# Altium PCB Copy of GameBoard_V1I1_083018.PcbDoc (part 14 of 21) (continued)
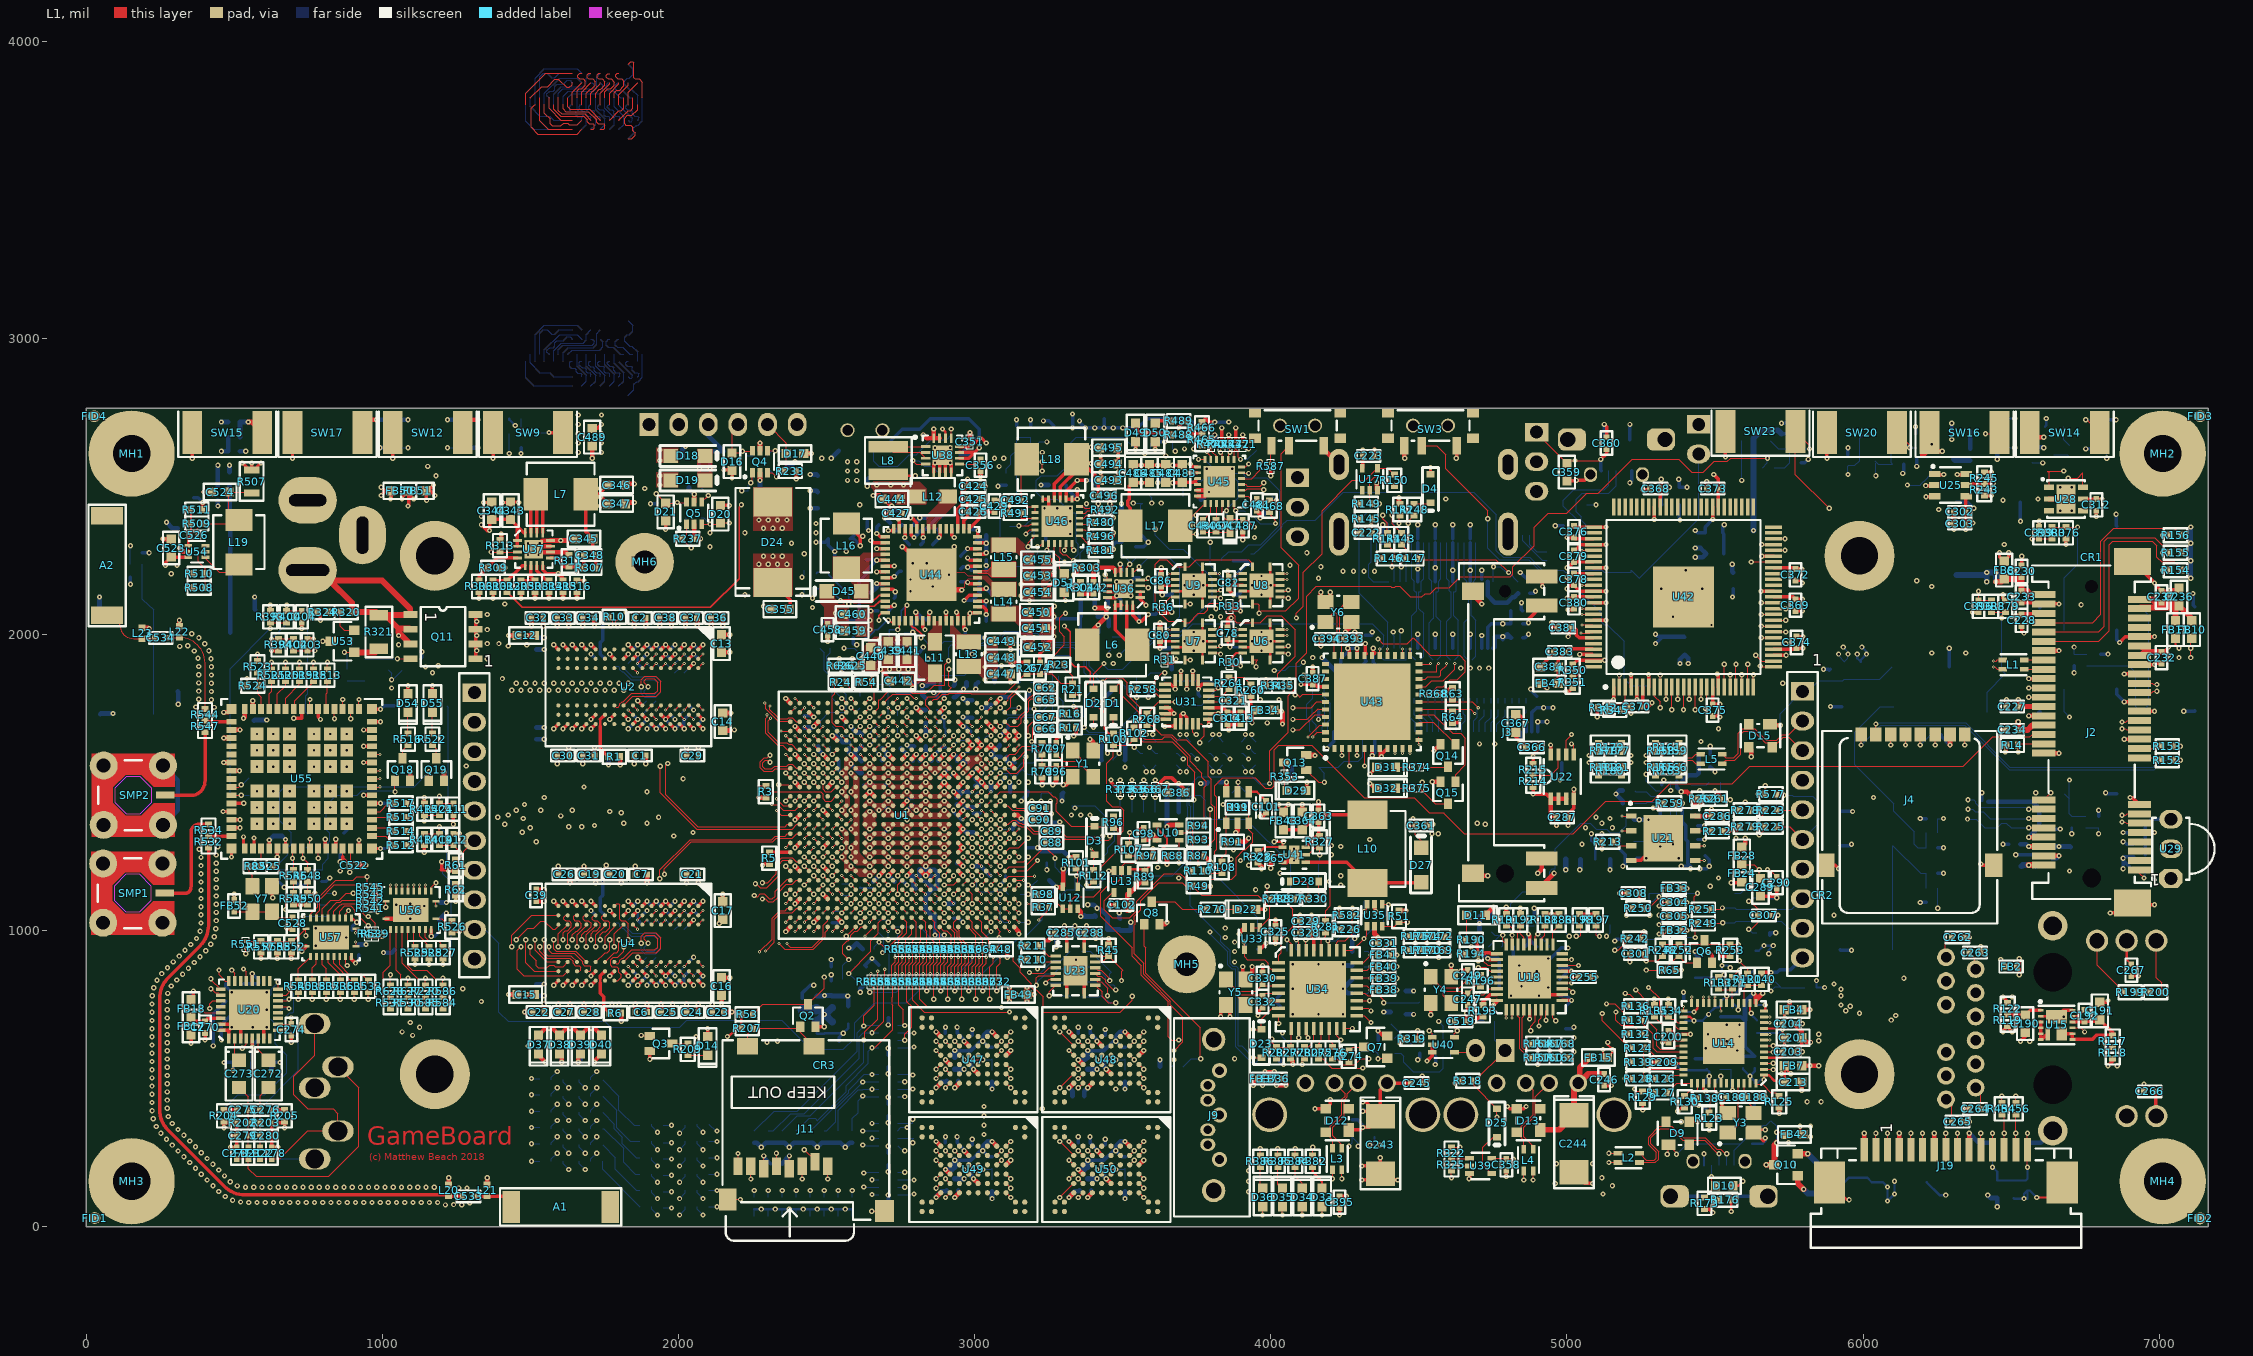
[diagram p0: L1 view]
## Nets (pads, with @x,y where several pads share a name; then routed paths per layer and width w, separated by ;. In a path a pad name is that pad's centre, name@x,y a point inside that pad or via, vN(x,y) a via of type N, cw(c..) or ccw(c..) an arc to the next point about the centre after c; other vN are vias at no path point) (continued)
  other v2: 3149.61,988.19 2614.17,1090.55 2582.68,1216.54 2771.65,1216.54 2834.65,1216.54 2897.64,1216.54 2551.18,1248.03 2645.67,1248.03 2708.66,1248.03 2645.67,1311.02 2708.66,1311.02 2771.65,1311.02 2834.65,1311.02 2897.64,1311.02 2960.63,1311.02 2551.18,1342.52 2771.65,1374.02 2992.13,1374.02 2551.18,1405.51 2677.17,1405.51 2803.15,1405.51 2645.67,1437.01 2708.66,1437.01 2834.65,1437.01 2897.64,1437.01 3192.91,1437.01 2551.18,1468.5 2771.65,1500 2834.65,1500 2866.14,1531.5 2960.63,1531.5 2645.67,1562.99 2708.66,1562.99 2771.65,1562.99 2834.65,1562.99 2897.64,1562.99 3023.62,1562.99 3023.62,1594.49 3740.16,1944.88 3968.5,1944.88 2677.17,1948.82 2740.16,1948.82 3708.66,1976.38 3937.01,1976.38 2677.17,1980.31 2740.16,1980.31 3740.16,2007.87 3968.5,2007.87 2645.67,2015.75 2984.25,2070.87 3740.16,2133.86 3968.5,2133.86 2783.46,2145.67 2858.27,2161.42 3708.66,2165.35 3937.01,2165.35 2783.46,2185.04 2842.52,2188.98 3740.16,2196.85 3968.5,2196.85 2913.39,2200.79 2791.34,2240.16 2838.58,2240.16 2931.1,2295.28 6665.35,2417.32 6704.72,2417.32 3322.83,2425.2 6665.35,2496.06 6704.72,2496.06
  other v3: 2708.66,1562.99
GYRO_CS_B: R264.2 U31.17 | length 72.1
  L1 w3.94: U31.17@3790.35,1791.34 3834.65,1791.34 R264.2@3854.33,1811.02
GYRO_INT: R46.1 R256.2 R258.2 U1.N22 | length 1472.7
  L1 w3.66: U1.N22@2755.91,1106.3 v2(2771.65,1090.55) ; v1(3547.24,1787.4) R258.2@3547.24,1814.96
  L10 w3.66: v2(2771.65,1090.55) 2807.09,1090.55 2822.83,1106.3 2934.14,1106.3 2940.95,1113.11 2940.95,1113.17 2943.76,1115.99 2943.76,1149.73 2913.66,1179.83 2913.66,1413.66 3014.76,1514.76 3158.6,1514.76 3166.34,1522.5 3183.92,1522.5 3311.02,1649.61 3311.02,1677.17 3322.83,1688.98 3326.77,1685.04 v1(3370.08,1685.04)
  L12 w3.66: v1(3370.08,1685.04) 3385.69,1669.43 3488.13,1669.43 3504.47,1685.77 3504.47,1697.39 3547.24,1740.16 v1(3547.24,1787.4) R46.1@3547.24,1814.96 R256.2@3547.24,1862.2
GYRO_INT1: R258.1 U31.3 | length 65.9
  L1 w3.66: R258.1@3586.61,1814.96 3598.43,1814.96 3622.05,1791.34 U31.3@3642.72,1791.34
GYRO_PWR_CTRL: R254.2 R256.1 U31.2 | length 190.5
  L1 w3.66: v1(3641.73,1870.08) 3633.86,1870.08 3610.24,1846.46 3610.24,1818.9 3618.11,1811.02 U31.2@3642.72,1811.02
  L12 w3.66: R256.1@3586.61,1862.2 3594.49,1870.08 v1(3641.73,1870.08) R254.2@3641.73,1842.52
GYRO_RST: R266.2 R268.2 U31.4 | length 144.9
  L1 w3.94: R268.2@3582.68,1732.28 3622.05,1771.65 U31.4@3642.72,1771.65 v1(3677.17,1771.65)
  L12 w3.94: v1(3677.17,1771.65) 3688.98,1771.65 R266.2@3704.72,1755.91
HDMI_CEC: R24.1 U1.W4 | length 199.7
  L1 w3.94: R24.1@2527.56,1838.58 2527.56,1799.21 2519.69,1791.34 2519.69,1700.79 2531.5,1688.98 2551.18,1688.98 U1.W4@2566.93,1673.23
HDMI_CEC_CON: J1.13 R148.2 U16.23 | length 235.8
  L1 w3.94: v1(4464.57,2374.02) 4464.57,2381.89 R148.2@4484.25,2401.57
  L12 w3.94: U16.23@4456.69,2177.17 4456.69,2216.54 ; 4456.69,2216.54 J1.13@4456.69,2308.66 4456.69,2366.14 v1(4464.57,2374.02)
HDMI_CEC_IN: R20.1 R24.2 R25.2 U16.16 | length 2288.9
  L1 w3.94: R24.2@2566.93,1838.58 2566.93,1830.71 2582.68,1814.96 v1(2590.55,1814.96)
  L10 w3.94: v5(2980.32,1901.57) 3006.89,1875 3128.16,1875 3138.99,1885.83 3188.98,1885.83 3200.79,1897.64 3400.38,1897.64 3419.08,1878.94 3516.73,1878.94 3531.56,1893.77 3531.56,1909.45 v5(3551.25,1929.13)
  L11 w3.94: v5(2980.32,1901.57) v6(2992.13,1889.76) ; v5(3551.25,1929.13) v6(3563.06,1917.32)
  L12 w3.94: v1(2590.55,1814.96) 2606.3,1830.71 2704.72,1830.71 2735.24,1800.2 2796.26,1800.2 2806.1,1810.04 2806.1,1830.92 2816.72,1841.54 2825.79,1841.54 2832.68,1848.43 2836.61,1848.43 2850.39,1862.2 2967.21,1862.2 2976.38,1871.37 2976.38,1885.83 R25.2@2972.44,1889.76 v6(2992.13,1889.76) ; v6(3563.06,1917.32) 3563.06,1933.81 3617.43,1988.19 3688.98,1988.19 3736.22,2035.43 R20.1@4318.9,2035.43 4342.52,2035.43 4381.89,1996.06 4381.89,1960.63 4368.11,1946.85 4368.11,1927.17 4381.89,1913.39 4456.69,1913.39 4456.69,1917.32 U16.16@4456.69,1952.76
HDMI_CLK_N: J1.12 U7.9 U16.15 U16.24 | length 1308.6
  L1 w3.94: U7.9@3803.15,1937.01 3830.71,1937.01 v2(3830.71,1933.07)
  L10 w3.94: v2(3830.71,1933.07) 3847.13,1933.07 3855.01,1925.2 3873.34,1925.2 3896.96,1948.82 3932.55,1948.82 3959.13,1922.24 4022.64,1922.24 4039.37,1905.51 4070.19,1905.51 4122.05,1957.37 4141.06,1976.38 4290.66,1976.38 4327.76,2013.47 4327.76,2013.99 4336.4,2022.64 4336.92,2022.64 4361.53,2047.24 4448.82,2047.24 4463.2,2032.87 4463.2,2001.37 4473.43,1991.14 4473.43,1990.62 4492.13,1971.92 4492.13,1948.82 v5(4488.19,1944.88)
  L11 w3.94: v6(4488.19,1913.39) v5(4488.19,1944.88)
  L12 w3.94: J1.12@4476.38,2308.66 4476.38,2246.06 4476.38,2187.01 4484.25,2179.13 4484.25,2172.27 4484.65,2171.88 4484.65,2147.16 4488.11,2143.7 4492.13,2143.7 4492.13,2078.74 4476.38,2062.99 U16.15@4476.38,1952.76 4476.38,1925.2 v6(4488.19,1913.39)
HDMI_CLK_P: J1.10 U7.10 U16.13 U16.26 | length 1414.5
  L1 w3.94: U7.10@3803.15,1956.69 3830.71,1956.69 v2(3830.71,1960.63)
  L10 w3.94: v2(3830.71,1960.63) 3858.27,1933.07 3870.08,1933.07 ; 3956.17,1936.33 3935.81,1956.69 3893.7,1956.69 3870.08,1933.07 ; v5(4503.94,1944.88) 4500,1948.82 4500,1975.18 4481.3,1993.88 4481.3,2025.9 4452.08,2055.12 4358.27,2055.12 4333.66,2030.51 4333.14,2030.51 4319.88,2017.25 4319.88,2016.73 4287.4,1984.25 4137.8,1984.25 4066.93,1913.39 4042.63,1913.39 4025.9,1930.12 3962.39,1930.12 3959.44,1933.07 3870.08,1933.07
  L11 w3.94: v6(4503.94,1913.39) v5(4503.94,1944.88)
  L12 w3.94: v6(4503.94,1913.39) 4515.75,1925.2 U16.13@4515.75,1952.76 4515.75,2070.87 4500,2086.61 4500,2143.7 4504.02,2143.7 4507.48,2147.16 4507.48,2171.88 4507.87,2172.27 4507.87,2179.13 4515.75,2187.01 4515.75,2255.51 J1.10@4515.75,2308.66
HDMI_D0_N: J1.9 U6.9 U16.12 U16.27 | length 1122.8
  L1 w3.94: U6.9@4031.5,1937.01 4059.06,1937.01 v2(4059.06,1933.07)
  L10 w3.94: v2(4059.06,1933.07) 4078.74,1952.76 4078.74,1964.57 4089.88,1964.57 4159.11,2033.8 4285.77,2033.8 4322.83,2070.87 4488.19,2070.87 4527.56,2031.5 4527.56,1980.31 4547.24,1960.63 v5(4547.24,1944.88)
  L11 w3.94: v6(4547.24,1913.39) v5(4547.24,1944.88)
  L12 w3.94: J1.9@4535.43,2308.66 4535.43,2246.06 4535.43,2187.01 4543.31,2179.13 4543.31,2172.27 4543.7,2171.88 4543.7,2147.16 4547.16,2143.7 4551.18,2143.7 4551.18,2055.12 4550.2,2054.13 4549,2054.13 4540.35,2045.49 4540.35,2044.29 4535.43,2039.37 U16.12@4535.43,1952.76 4535.43,1925.2 v6(4547.24,1913.39)
HDMI_D0_P: J1.7 U6.10 U16.10 U16.29 | length 1123.4
  L1 w3.94: U6.10@4031.5,1956.69 4059.06,1956.69 v2(4059.06,1960.63)
  L10 w3.94: v2(4059.06,1960.63) 4070.87,1972.44 4086.61,1972.44 4155.85,2041.68 4282.51,2041.68 4319.57,2078.74 4491.45,2078.74 4535.43,2034.76 4535.43,1983.58 4562.99,1956.02 v5(4562.99,1944.88)
  L11 w3.94: v6(4562.99,1913.39) v5(4562.99,1944.88)
  L12 w3.94: v6(4562.99,1913.39) 4574.8,1925.2 U16.10@4574.8,1952.76 4574.8,2043.31 4559.06,2059.05 4559.06,2143.7 4563.08,2143.7 4566.54,2147.16 4566.54,2171.88 4566.93,2172.27 4566.93,2179.13 4574.8,2187.01 4574.8,2255.51 J1.7@4574.8,2308.66
  other v5: 4562.99,1944.88
HDMI_D1_N: J1.6 U9.9 U16.9 U16.30 | length 1379.8
  L1 w3.94: U9.9@3803.15,2125.98 3830.71,2125.98 v2(3830.71,2122.05)
  L10 w3.94: v2(3830.71,2122.05) 3842.52,2110.24 4000,2110.24 4031.5,2078.74 4291.34,2078.74 4307.09,2094.49 4500.83,2094.49 4511.66,2083.66 4534.45,2083.66 4578.74,2039.37 4578.74,1972.44 v5(4606.3,1944.88)
  L11 w3.94: v6(4606.3,1913.39) v5(4606.3,1944.88)
  L12 w3.94: J1.6@4594.49,2308.66 4594.49,2246.06 4594.49,2187.01 4602.36,2179.13 4602.36,2172.27 4602.76,2171.88 4602.76,2147.16 4606.22,2143.7 4610.24,2143.7 4610.24,2059.73 4594.49,2043.98 U16.9@4594.49,1952.76 4594.49,1925.2 v6(4606.3,1913.39)
HDMI_D1_P: J1.4 U9.10 U16.7 U16.32 | length 1404.3
  L1 w3.94: U9.10@3803.15,2145.67 3830.71,2145.67 v2(3830.71,2149.61)
  L10 w3.94: v2(3830.71,2149.61) 3862.2,2118.11 4003.26,2118.11 4032.45,2088.92 4170.92,2088.92 4173.23,2086.61 4288.08,2086.61 4303.83,2102.36 4504.09,2102.36 4514.92,2091.54 4537.71,2091.54 4586.61,2042.63 4586.61,1980.43 4622.05,1945 v5(4622.05,1944.88)
  L11 w3.94: v6(4622.05,1913.39) v5(4622.05,1944.88)
  L12 w3.94: v6(4622.05,1913.39) 4633.86,1925.2 U16.7@4633.86,1952.76 4633.86,2047.24 4618.11,2062.99 4618.11,2143.7 4622.13,2143.7 4625.59,2147.16 4625.59,2171.88 4625.98,2172.27 4625.98,2179.13 4633.86,2187.01 4633.86,2255.51 J1.4@4633.86,2308.66
  other v5: 4622.05,1944.88
HDMI_D2_N: J1.3 U8.9 U16.6 U16.33 | length 1218.1
  L1 w3.94: U8.9@4031.5,2125.98 U8.9@4043.31,2125.98 ; U8.9@4043.31,2122.05 U8.9@4043.31,2125.98 ; v2@4059.06,2125.98 U8.9@4043.31,2125.98
  L10 w3.94: v2(4059.06,2122.05) 4066.93,2114.17 4111.59,2114.17 4123.4,2102.36 4286.17,2102.36 4300.28,2116.48 4322,2116.48 4328.24,2110.24 4507.36,2110.24 4518.18,2099.41 4536.94,2099.41 4547.76,2110.24 4551.18,2110.24 4607.67,2053.75 4608.06,2054.13 4620.29,2054.13 4628.94,2045.49 4628.94,1981.3 v5(4665.35,1944.88)
  L11 w3.94: v6(4665.35,1913.39) v5(4665.35,1944.88)
  L12 w3.94: J1.3@4653.54,2308.66 4653.54,2246.06 4653.54,2187.01 4661.42,2179.13 4661.42,2172.27 4661.81,2171.88 4661.81,2147.16 4665.27,2143.7 4669.29,2143.7 4669.29,2054.13 4667.11,2054.13 4653.54,2040.56 U16.6@4653.54,1952.76 4653.54,1925.2 v6(4665.35,1913.39)
HDMI_D2_P: J1.1 U8.10 U16.4 U16.35 | length 1240.2
  L1 w3.94: U8.10@4031.5,2145.67 v2@4059.06,2145.67
  L10 w3.94: v2(4059.06,2149.61) 4086.61,2122.05 4114.85,2122.05 4126.66,2110.24 4282.91,2110.24 4297.02,2124.35 4325.26,2124.35 4331.5,2118.11 4512.8,2118.11 4512.8,2115.93 4521.44,2107.28 4533.67,2107.28 4542.32,2115.93 4542.32,2118.11 4567.45,2118.11 4636.81,2048.75 4636.81,1989.29 4681.1,1945 v5(4681.1,1944.88)
  L11 w3.94: v6(4681.1,1913.39) v5(4681.1,1944.88)
  L12 w3.94: v6(4681.1,1913.39) 4692.91,1925.2 U16.4@4692.91,1952.76 4692.91,2047.24 4678.15,2062.01 4677.17,2062.01 4677.17,2143.7 4681.19,2143.7 4684.65,2147.16 4684.65,2171.88 4685.04,2172.27 4685.04,2179.13 4692.91,2187.01 4692.91,2255.51 J1.1@4692.91,2308.66
  other v5: 4681.1,1944.88
HDMI_DDC: R25.1 R29.2 U1.K2 | length 292.5
  L1 w3.94: U1.K2@2850.39,1736.22 2850.39,1744.09 2834.65,1759.84 2834.65,1779.53 2843.5,1788.39 2868.32,1788.39 2886.04,1806.1 2908.47,1806.1 2921.26,1818.9 2913.39,1826.77 v1(2913.39,1881.89)
  L12 w3.94: v1(2913.39,1881.89) 2917.32,1881.89 2921.26,1877.95 R25.1@2933.07,1889.76 R29.2@2933.07,1937.01
HDMI_ESD_BYP: C220.1 U16.37 | length 171.9
  L12 w15.75: U16.37@4732.28,2177.17 4732.28,2130.91 4756.89,2106.3 4797.9,2106.3 4816.27,2124.67 4821.52,2124.67 C220.1@4834.65,2137.8
HDMI_HPD: R23.2 R150.2 U17.4 | length 1881.3
  L1 w3.94: R23.2@3263.78,1897.64 3263.78,1924.52 3303.15,1963.89 3303.15,1992.13 3287.4,2007.87 3287.4,2055.12 3303.15,2070.87 v1(3307.09,2070.87) ; v1(4086.61,2055.12) 4086.61,2070.87 4110.24,2094.49 4110.24,2208.66 4173.23,2271.65 4173.23,2417.32 4275.59,2519.68 4318.9,2519.68 U17.4@4360.24,2561.02 4395.67,2561.02 R150.2@4417.32,2539.37
  L10 w3.94: v1(3307.09,2070.87) 3307.09,2086.61 3338.58,2118.11 3338.58,2137.12 3418,2216.54 3546.05,2216.54 3549,2213.58 3561.23,2213.58 3564.19,2216.54 3602.36,2216.54 3699.8,2119.09 3812.78,2119.09 3829.51,2102.36 3862.05,2102.36 3882.87,2081.54 3882.87,2072.62 3892.51,2062.99 3913.39,2062.99 3937.01,2086.61 3980.31,2086.61 4023.62,2043.31 4074.8,2043.31 v1(4086.61,2055.12)
HDMI_HPD_BUFF: R149.1 R150.1 U16.19 U17.2 | length 767.5
  L1 w3.94: v1(4366.14,2440.94) R149.1@4342.52,2440.94 4334.65,2448.82 U17.2@4334.65,2486.22 4334.65,2515.75 4350.39,2531.5 4385.83,2531.5 R150.1@4417.32,2500
  L12 w3.94: v1(4366.14,2440.94) 4354.33,2440.94 4299.21,2385.83 4299.21,2137.8 4395.67,2041.34 4395.67,1954.72 U16.19@4397.64,1952.76
HDMI_HPD_CON: C222.1 J1.19 R145.2 U16.20 | length 300.4
  L1 w3.94: C222.1@4342.52,2342.52 4338.58,2346.46 v1(4338.58,2366.14) 4342.52,2370.08 R145.2@4342.52,2389.76
  L12 w3.94: v1(4338.58,2366.14) J1.19@4338.58,2308.66 4338.58,2244.1 4330.71,2236.22 4330.71,2192.91 4346.46,2177.17 U16.20@4397.64,2177.17
HDMI_HPD_R: C74.1 R21.1 R23.1 R26.2 U1.K1 | length 609.7
  L1 w3.94: U1.K1@2850.39,1767.72 2850.39,1768.24 2862.67,1780.51 2873.81,1780.51 2891.52,1798.23 2911.73,1798.23 2913.69,1800.2 2987.2,1800.2 2988.19,1799.21 3103.56,1799.21 3170.49,1866.14 R26.2@3177.17,1866.14 C74.1@3220.47,1866.14 3259.84,1866.14 3291.34,1834.65 R21.1@3330.71,1834.65 3330.71,1857.59 3303.15,1885.15 R23.1@3303.15,1897.64
HDMI_RESREF: R28.2 U1.J1 | length 78.9
  L1 w3.66: U1.J1@2881.89,1767.72 v2(2897.64,1783.47)
  L12 w11.81: R28.2@2884.45,1834.65 2884.45,1812.92 2897.64,1799.73 v2(2897.64,1783.47)
HDMI_SCL_CON: J1.15 R143.1 | length 168.3
  L1 w3.94: v1(4409.45,2401.57) 4409.45,2374.02 R143.1@4440.94,2342.52
  L12 w3.94: v1(4409.45,2401.57) 4409.45,2377.95 4417.32,2370.08 J1.15@4417.32,2308.66
HDMI_SCL_CON_R: R143.2 R147.1 U16.22 | length 140.7
  L1 w3.94: v1(4440.94,2228.35) 4440.94,2240.16 R147.1@4456.69,2255.91 4456.69,2287.4 R143.2@4440.94,2303.15
  L12 w3.94: U16.22@4437.01,2177.17 4437.01,2224.41 v1(4440.94,2228.35)
HDMI_SDA_CON: J1.16 R144.1 | length 167.3
  L1 w3.94: v1(4377.95,2401.57) 4377.95,2390.96 4393.7,2375.21 R144.1@4393.7,2342.52
  L12 w3.94: v1(4377.95,2401.57) 4377.95,2389.76 4382.87,2384.84 4384.07,2384.84 4397.64,2371.27 J1.16@4397.64,2308.66
HDMI_SDA_CON_R: R144.2 R146.1 U16.21 | length 142.3
  L1 w3.94: R144.2@4393.7,2303.15 4417.32,2279.53 R146.1@4417.32,2255.91 4409.45,2248.03 v1(4409.45,2228.35)
  L12 w3.94: v1(4409.45,2228.35) 4417.32,2220.47 U16.21@4417.32,2177.17
HP_OUT_L: C272.2 C276.1 C280.1 FB22.1 R203.2 | length 213.2
  L1 w3.94: FB22.1@587.52,267.87 R203.2@587.52,350.55 C276.1@587.52,393.86 587.52,442.09 C272.2@615.08,469.65
HP_OUT_R: C273.2 C275.1 C279.1 FB21.1 R202.2 | length 214.8
  L1 w3.94: C273.2@516.65,469.65 548.15,438.15 C275.1@548.15,393.86 C279.1@548.15,307.24 FB21.1@548.15,267.87
HUB_CFG_SEL0: R192.2 U18.24 | length 67.9
  L1 w3.94: R192.2@4842.52,1015.75 4842.52,988.19 4854.33,976.38 U18.24@4854.33,952.76
HUB_CFG_SEL1: R191.2 U18.25 | length 86.2
  L1 w3.94: R191.2@4795.28,1015.75 4807.09,1015.75 4834.65,988.19 U18.25@4834.65,952.76
HUB_CRFILT: C255.1 U18.14 | length 55.1
  L1 w3.94: U18.14@4984.25,842.52 C255.1@5039.37,842.52
HUB_LED: D11.2 R190.1 | length 80.4
  L1 w3.94: R190.1@4657.48,968.5 4661.42,972.44 D11.2@4661.42,1047.24
HUB_NON_REM1: R195.2 U18.22 | length 102.2
  L1 w3.94: U18.22@4893.7,952.76 4893.7,980.31 v1(4901.57,988.19)
  L12 w3.94: v1(4901.57,988.19) 4940.94,948.82 R195.2@4940.94,940.94
HUB_PLLFILT: C254.1 U18.34 | length 124.8
  L1 w3.94: v1(4700.79,783.46) 4719.28,783.46 4738.96,803.15 U18.34@4763.78,803.15
  L12 w3.94: v1(4700.79,783.46) 4706.69,789.37 C254.1@4706.69,834.65
HUB_RBIAS: R193.1 U18.35 | length 68.8
  L1 w11.81: R193.1@4716.54,748.03 4716.54,759.84 4740.16,783.46 U18.35@4763.78,783.46
HUB_RESETn: C248.1 R187.1 R189.1 U18.26 | length 165.6
  L1 w3.94: U18.26@4814.96,952.76 v1(4814.96,984.25)
  L12 w3.94: v1(4814.96,984.25) 4814.96,996.06 R189.1@4795.28,1015.75 C248.1@4842.52,1015.75 R187.1@4889.76,1015.75
HUB_VBUS_DET: R183.2 R184.1 R185.1 U18.27 | length 177.3
  L1 w3.94: v1(4783.46,984.25) 4783.46,964.57 U18.27@4795.28,952.76
  L12 w3.94: R184.1@4736.22,944.88 v1@4775.59,984.25 ; R183.2@4744.09,996.06 4755.91,984.25 v1@4775.59,984.25 ; R185.1@4779.53,944.88 4783.46,948.82 v1(4783.46,984.25) v1@4775.59,984.25
HUB_XTALIN: C247.1 R196.2 U18.33 Y4.3 | length 249.2
  L1 w3.94: Y4.3@4609.25,754.92 4607.28,754.92 4582.68,779.53 4582.68,791.34 4586.61,795.28 4645.67,795.28 4653.54,787.4 C247.1@4665.35,787.4 4696.85,818.9 4724.41,818.9 4728.35,822.83 U18.33@4763.78,822.83
HUB_XTALOUT: C249.1 R196.1 U18.32 Y4.1 | length 253.2
  L1 w3.94: Y4.1@4540.35,843.5 4576.77,807.09 4637.8,807.09 4657.48,826.77 C249.1@4665.35,826.77 4685.04,826.77 4700.79,842.52 U18.32@4763.78,842.52
I2C1_SCL: R60.1 R224.1 R441.1 U1.H20 U22.6 U30.4 U31.11 | length 6278.6
  L1 w3.66: U1.H20@2913.39,1169.29 v2(2929.13,1185.04) ; U31.11@3736.22,1697.83 3736.22,1669.29 3744.09,1661.42 v1(3748.03,1661.42) ; U22.6@4997.05,1594.49 4997.05,1642.72 v1(5015.75,1661.42)
  L3 w3.66: v1@3744.09,1666.35 3785.28,1707.54 3818.77,1707.54 3831.71,1720.47 3855.4,1720.47 3878.74,1743.82 3951.97,1743.82 3973.56,1722.22 3973.56,1694.73 3982.13,1686.16 3991.87,1686.16 4004.67,1673.37 4027.42,1673.37 4039.37,1661.42 4182.17,1661.42 4260.91,1740.16 4582.68,1740.16 4657.48,1665.35 4771.65,1665.35 4834.92,1602.09 4869.87,1602.09 4876.62,1608.84 4895.03,1608.84 4901.78,1602.09 4956.42,1602.09 v1(5015.75,1661.42) 5035.43,1641.73 5035.43,1555.12 5062.99,1527.56 v1(5267.72,1527.56) 5291.34,1503.94 5310.02,1503.94 5320.71,1493.25 5332.83,1493.25 5343.52,1503.94 5562.99,1503.94 5622.05,1444.88 5622.05,1425.2 5602.36,1405.51 v1(5602.36,1377.95)
  L10 w3.66: v1(2417.32,2192.91) 2402.32,2177.91 2402.32,2082.68 2429.88,2055.12 2472.44,2055.12 2502.81,2024.74 2537.55,2024.74 2544.31,2031.5 2593.79,2031.5 2634.98,2072.68 2634.98,2084.8 2643.55,2093.37 2673.84,2093.37 2705.33,2061.87 2718.66,2061.87 2727.22,2053.3 2727.22,2045.43 2742.28,2030.37 2789.52,2030.37 2812.15,2007.75 2812.15,2002.12 2804.27,1994.25 2804.27,1982.13 2812.84,1973.56 2832.83,1973.56 2841.4,1982.13 2841.4,1992.7 2847.58,1998.88 2886.95,1959.51 2923.38,1959.51 2930.13,1952.76 2979.99,1952.76 2982.81,1955.57 3072.73,1955.57 3092.56,1935.74 3103.7,1935.74 3112.84,1926.59 3153.54,1926.59 3158.26,1931.31 3355.83,1931.31 3385.01,1960.49 3566.2,1960.49 3588.01,1938.68 3588.01,1927.74 3633.36,1882.39 3627.11,1876.14 3627.11,1864.02 3635.67,1855.45 3637.87,1855.45 3659.91,1833.41 3663.96,1837.46 3767.43,1837.46 3780.23,1850.26 3837.33,1850.26 3866.56,1821.03 3952.76,1821.03 3981,1792.78 3981,1775.28 3953.03,1747.31 3953.03,1725.2 3953.03,1648.82 3937.25,1633.04 3937.25,1626.74 3939.82,1624.17 3939.82,1612.05 3932.22,1604.45 3932.22,1598.56 3927.03,1593.37 3919.14,1593.37 3912.39,1586.61 3901.57,1586.61 3846.73,1641.46 3779.13,1641.46 3759.17,1661.42 v1(3748.03,1661.42) 3748.03,1642.73 3745.22,1639.92 3745.22,1637.92 3710.78,1603.48 3696.91,1603.48 3689.31,1595.89 3566.93,1595.89 3566.93,1611.24 3545.43,1632.74 3540.49,1632.74 3522.5,1650.73 3522.5,1651.73 3512.81,1661.42 3476.31,1661.42 3434.47,1619.58 3406.11,1619.58 3398.37,1611.84 3369.35,1611.84 3281.27,1523.76 3228.55,1523.76 3181.17,1476.38 3157.48,1476.38 3148.21,1467.11 3074.4,1467.11 3029.68,1422.38 3009.06,1422.38 2969.9,1383.22 2969.9,1382.22 2952.42,1364.74 2951.42,1364.74 2929.41,1342.73 2929.41,1307.36 2921.26,1299.21 2921.26,1192.91 v2(2929.13,1185.04)
  L12 w3.66: v1(2417.32,2192.91) 2425.61,2201.2 R441.1@2425.61,2215.45 ; v1(5267.72,1527.56) 5267.72,1503.94 5299.21,1472.44 U30.4@5319.88,1472.44 ; v1(5602.36,1377.95) 5622.05,1358.27 R60.1@5622.05,1350.39 R224.1@5669.29,1350.39
I2C1_SCL_CON: J12.6 R224.2 R225.2 R577.2 | length 511.1
  L1 w3.66: R225.2@5708.66,1350.39 5751.97,1350.39 J12.6@5795.28,1307.09 ; R577.2@5708.66,1460.63 5728.35,1460.63 v1(5732.28,1456.69)
  L12 w3.66: R224.2@5708.66,1350.39 5751.97,1350.39 J12.6@5795.28,1307.09 5850.39,1362.2 5850.39,1433.07 5830.71,1452.76 5764.45,1452.76 5760.52,1456.69 v1(5732.28,1456.69)
I2C1_SCL_MCU: R225.1 R279.1 U34.10 | length 3399.9
  L1 w3.66: R279.1@5622.05,1350.39 R225.1@5669.29,1350.39 5669.29,1342.52 v1(5649.61,1322.83)
  L1 w3.94: v1(4094.49,637.8) U34.10@4094.49,669.29
  L3 w3.94: v1(4094.49,637.8) 4125,607.28 4245.6,607.28 4248.55,610.24 4366.14,610.24 4484.25,492.13 4582.68,492.13 4622.05,452.76 4673.23,452.76 4740.16,385.83 5055.12,385.83 5114.17,444.88 5224.41,444.88 5248.03,421.26 5318.9,421.26 5345.47,447.83 5431.31,447.83 5438.2,440.94 5610.24,440.94 5641.73,409.45 5791.34,409.45 5795.28,405.51 5842.52,405.51 v1(5858.27,421.26)
  L10 w3.94: v1(5649.61,1322.83) 5610.24,1283.46 5559.06,1283.46 5543.31,1267.72 5543.31,1213.27 5529.56,1199.53 5490.74,1199.53 5473.43,1182.22 5473.43,1159.66 5469.49,1155.72 5469.49,1143.49 5490.93,1122.05 5547.24,1122.05 5641.73,1027.56 5641.73,913.39 5682.47,872.64 5682.86,873.03 5695.09,873.03 5703.74,864.38 5703.74,852.15 5703.35,851.77 5736.22,818.9 5736.22,725.6 5721.46,710.84 5721.46,681.69 5673.23,633.46 5673.23,574.8 5665.35,566.93 5665.35,523.62 5670.28,518.7 5674.73,518.7 5687.99,505.44 5687.99,500.98 5748.03,440.94 5838.58,440.94 v1(5858.27,421.26)
I2C1_SCL_PMIC: R441.2 TP40.1 U44.54 | length 313.6
  L1 w4.49: v2(2574.8,2102.36) 2582.68,2094.49 2661.42,2094.49 2679.13,2112.2 U44.54@2698.82,2112.2
  L12 w4.49: R441.2@2464.57,2204.72 2468.5,2208.66 TP40.1@2507.87,2208.66 2507.87,2200.79 2574.8,2133.86 v2(2574.8,2102.36)
I2C1_SDA: R59.1 R222.1 R442.1 U1.G23 U22.5 U30.6 U31.12 | length 6085.4
  L1 w3.66: U1.G23@2944.88,1074.8 v2(2960.63,1059.06) ; U31.12@3755.91,1697.83 3765.73,1697.83 3775.59,1687.98 3775.59,1657.55 3759.84,1641.8 v1(3759.84,1633.86) ; v1(5015.75,1629.92) 5022.64,1623.03 U22.5@5022.64,1594.49
  L3 w3.66: v1(3759.84,1633.86) 3759.84,1637.81 3798.08,1676.04 3821.71,1676.04 3881.89,1736.22 3948.82,1736.22 3965.96,1719.07 3965.96,1691.58 3978.98,1678.56 3988.73,1678.56 4001.52,1665.77 4024.27,1665.77 4036.5,1653.54 4185.04,1653.54 4263.78,1732.28 4579.81,1732.28 4666.42,1645.67 4760.84,1645.67 4770.53,1635.98 4770.53,1634.98 4811.02,1594.49 4873.02,1594.49 4879.77,1601.24 4891.89,1601.24 4898.64,1594.49 4959.56,1594.49 4995,1629.92 v1(5015.75,1629.92) 5015.75,1562.99 5071,1507.74 5098.48,1507.74 5102.42,1511.67 5272.86,1511.67 5288.19,1496.34 5302.87,1496.34 5326.77,1472.44 v1(5350.39,1472.44) 5374.02,1496.06 5539.37,1496.06 v1(5602.36,1433.07)
  L10 w3.66: v1(2417.32,2133.86) 2417.16,2133.7 2417.16,2078.58 2427.69,2068.05 2462.08,2068.05 2466.01,2071.99 2489.31,2071.99 2505.06,2056.24 2587.74,2056.24 2594.49,2062.99 2602.43,2062.99 2640.4,2100.96 2646.4,2100.96 2658.55,2113.11 2678.16,2113.11 2734.82,2056.45 2734.82,2048.58 2744.03,2039.37 2830.71,2039.37 2877.95,1992.13 2929.13,1992.13 2960.91,1960.35 2976.84,1960.35 2979.66,1963.17 3075.88,1963.17 3095.71,1943.34 3106.85,1943.34 3115.99,1934.19 3150.4,1934.19 3158.27,1942.07 3159.6,1942.07 3165.35,1947.82 3326.45,1947.82 3351.07,1972.44 3564.99,1972.44 3595.61,1941.82 3595.61,1930.88 3641.51,1884.98 3647.51,1884.98 3656.36,1876.14 3656.36,1871.2 3677.17,1850.39 3769.62,1850.39 3777.08,1857.85 3840.48,1857.85 3860.87,1837.46 3890.89,1837.46 3899.72,1828.63 3962.71,1828.63 3988.6,1802.74 3988.6,1772.13 3960.63,1744.16 3960.63,1645.67 3944.85,1629.89 3947.42,1627.32 3947.42,1608.9 3939.82,1601.31 3939.82,1572.68 3922.26,1555.12 3913.39,1555.12 3866.14,1602.36 3834.65,1602.36 3803.15,1633.86 v1(3759.84,1633.86) ; v2(2960.63,1059.06) 2976.38,1074.8 2976.38,1137.8 2944.88,1169.29 2944.88,1192.91 2937.01,1200.79 2937.01,1339.58 2954.57,1357.15 2955.57,1357.15 2977.5,1379.07 2977.5,1380.07 3012.21,1414.78 3032.83,1414.78 3070.8,1452.76 3141.41,1452.76 3148.16,1459.51 3151.36,1459.51 3160.63,1468.78 3184.32,1468.78 3231.7,1516.16 3284.41,1516.16 3372.49,1604.24 3401.52,1604.24 3409.25,1611.98 3437.62,1611.98 3467.37,1641.73 3491.13,1641.73 3544.57,1588.29 3692.46,1588.29 3698.66,1594.49 3712.53,1594.49 v1@3755.84,1637.8
  L12 w3.66: v1(2417.32,2133.86) 2425.2,2141.73 R442.1@2425.2,2157.48 ; v1(5350.39,1472.44) U30.6@5350.39,1502.95 ; v1(5602.36,1433.07) 5622.05,1413.39 R59.1@5622.05,1405.51 R222.1@5669.29,1405.51
I2C1_SDA_CON: J12.5 R222.2 R223.2 R576.2 | length 229.7
  L1 w3.66: R223.2@5708.66,1405.51 5793.7,1405.51 J12.5@5795.28,1407.09
  L12 w3.66: R576.2@5708.66,1460.63 R222.2@5708.66,1405.51 5793.7,1405.51 J12.5@5795.28,1407.09
I2C1_SDA_MCU: R223.1 R278.1 U34.11 | length 3400.2
  L1 w3.66: R278.1@5622.05,1405.51 R223.1@5669.29,1405.51 5669.29,1397.64 v1(5649.61,1377.95)
  L1 w3.94: U34.11@4120.08,669.29 4120.08,643.7 v1(4125.98,637.8)
  L3 w3.94: v1(4125.98,637.8) 4148.62,615.16 4242.34,615.16 4245.29,618.11 4416.13,618.11 4439.75,594.49 4551.18,594.49 4724.41,421.26 5056.81,421.26 5167.04,531.5 5224.41,531.5 5274.61,481.3 5668.31,481.3 5728.35,421.26 v1(5811.02,421.26)
  L10 w3.94: v1(5649.61,1377.95) 5623.24,1377.95 5608.48,1363.19 5607.28,1363.19 5535.43,1291.34 5535.43,1216.54 5501.19,1216.54 5486.43,1231.3 5474.2,1231.3 5465.55,1222.65 5465.55,1162.92 5461.61,1158.98 5461.61,1140.23 5499.48,1102.36 5555.79,1102.36 5633.86,1024.3 5633.86,910.12 5674.21,869.77 5674.21,852.15 5682.86,843.5 5695.09,843.5 5697.79,846.2 5728.35,815.64 5728.35,774.82 5719.49,765.96 5719.49,753.73 5728.35,744.87 5728.35,728.86 5713.58,714.1 5713.58,684.95 5649.61,620.98 5649.61,519.69 5658.46,510.83 5671.47,510.83 5680.12,502.18 5680.12,489.17 5748.03,421.26 v1(5811.02,421.26)